# Altium PCB Swarm.PcbDoc (part 1 of 2)
Units mm, origin at the board's own origin, x right, y up, seen from the top; angles counter-clockwise.
Board outline 110 x 110 mm, 2 copper layers (Top Layer, Bottom Layer); 186 components, 147 nets, 586 pads, 71 vias.
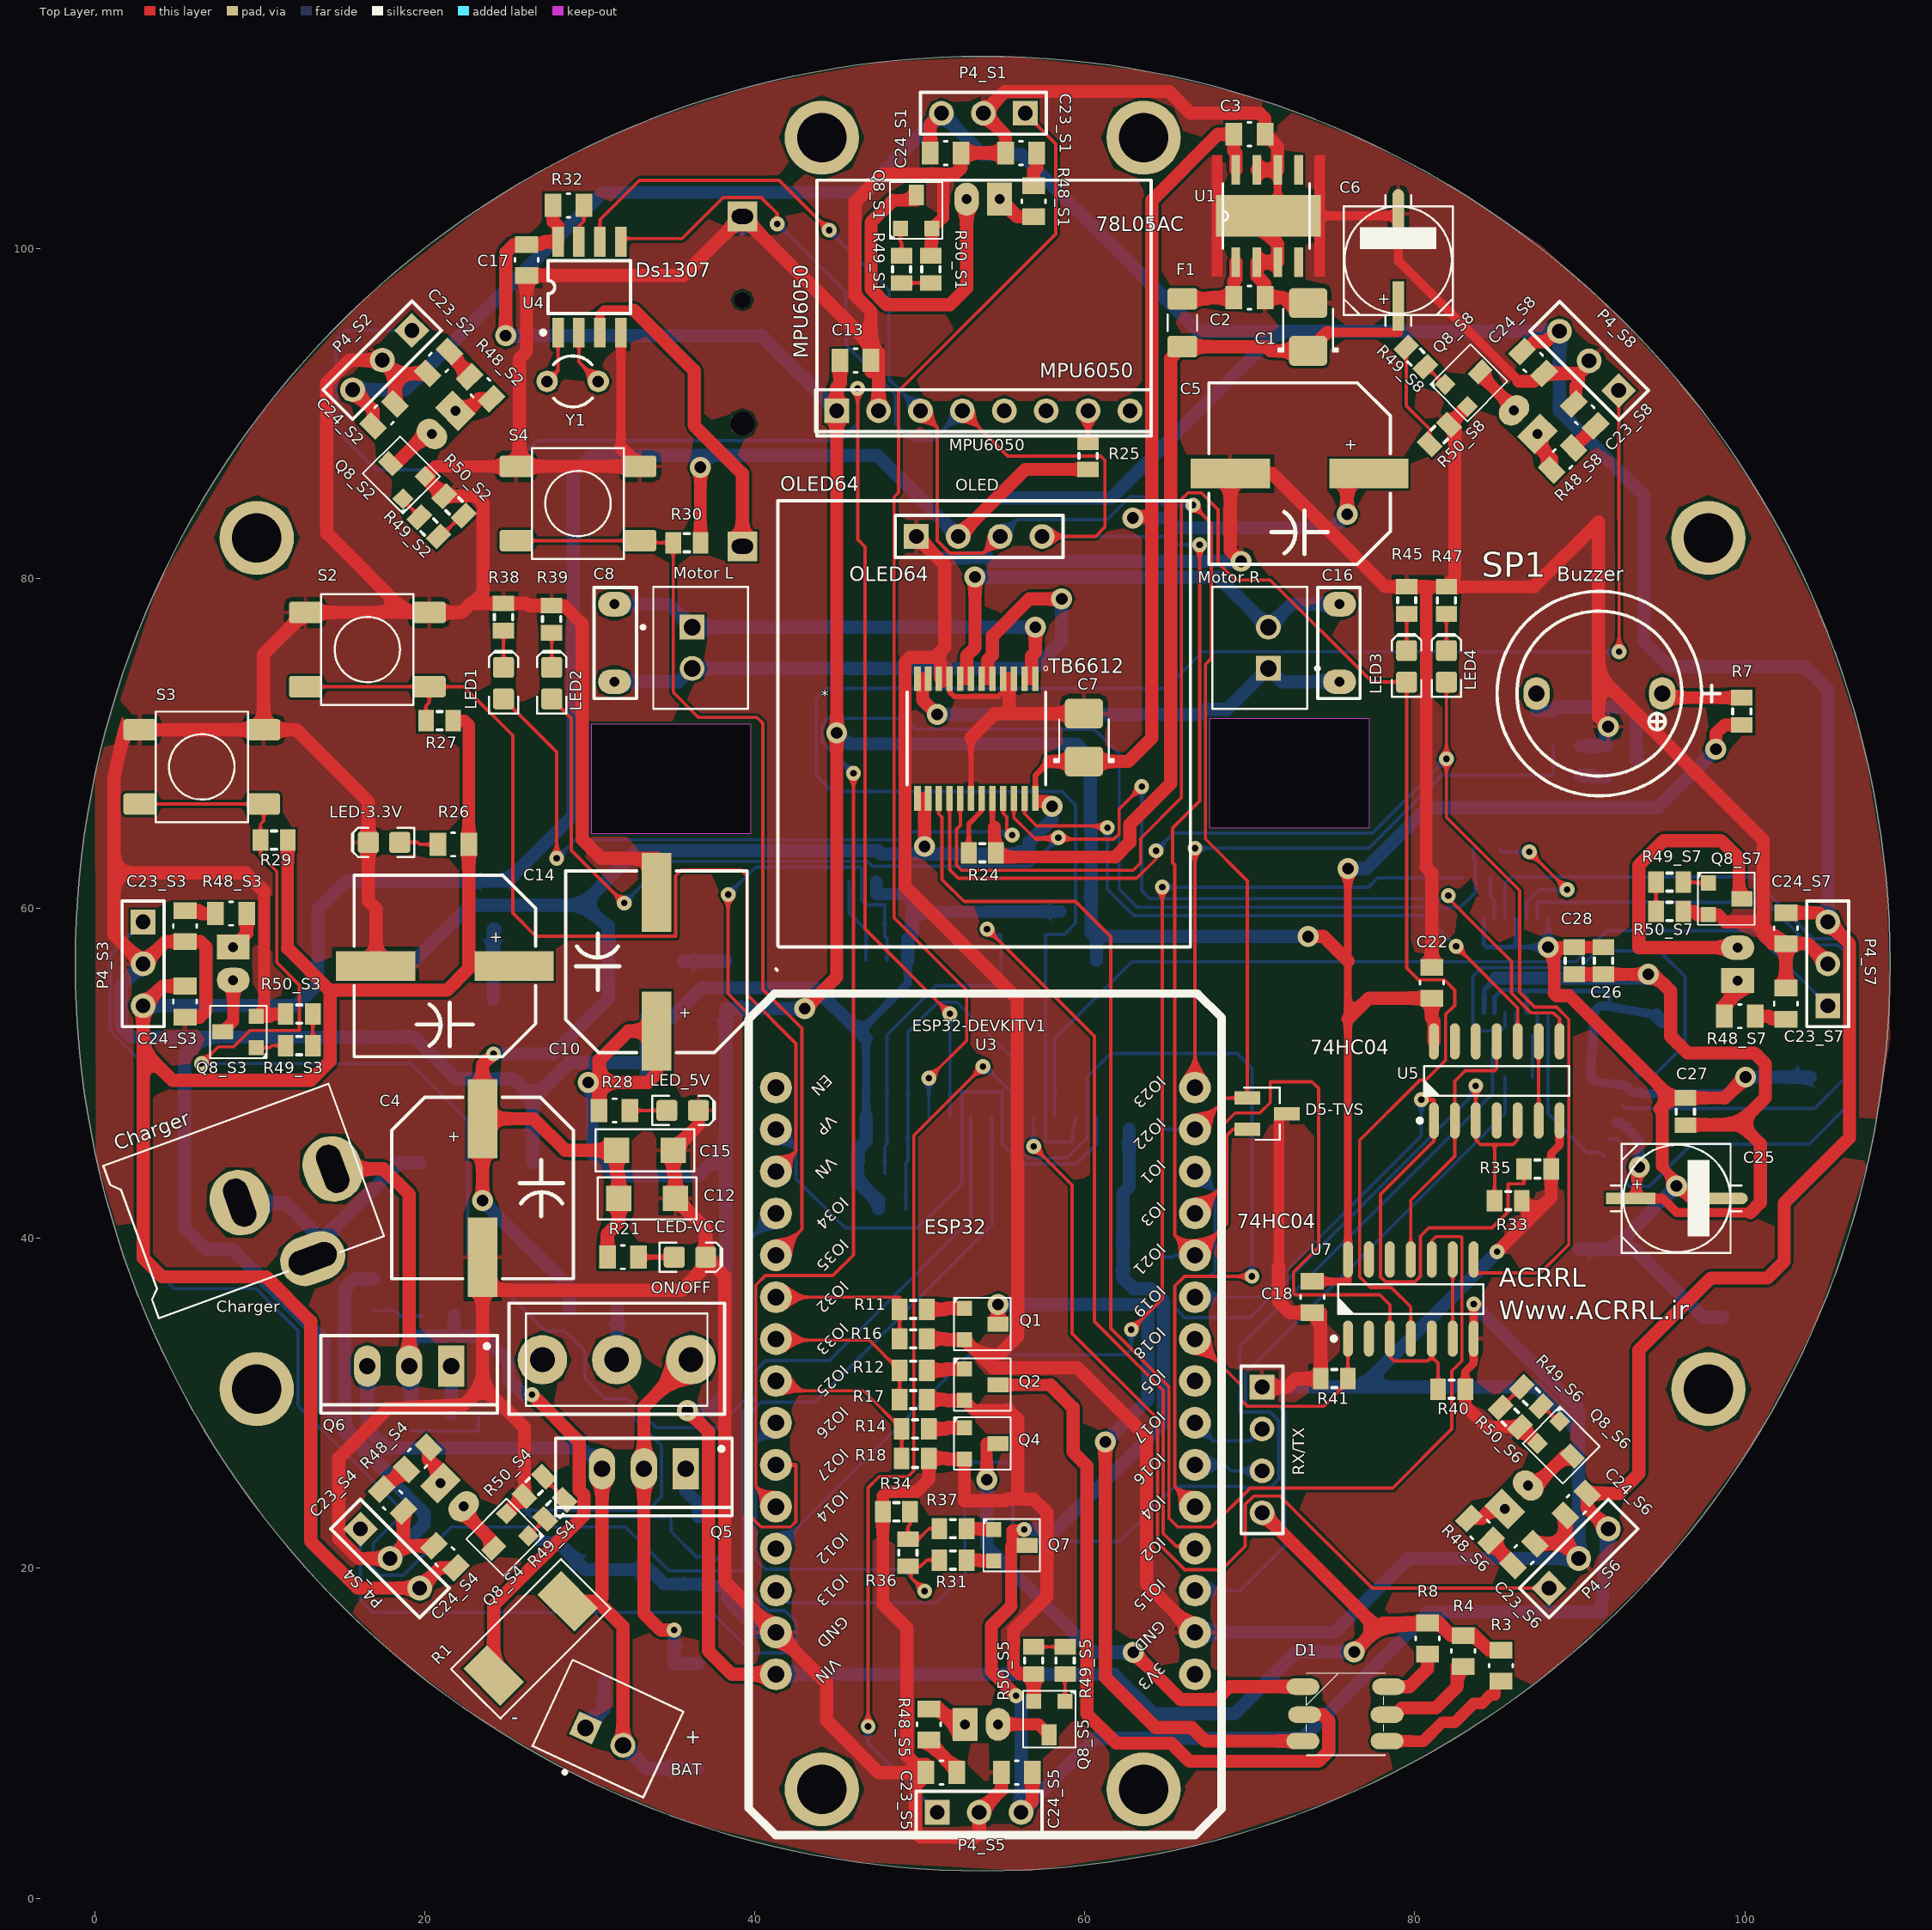
[diagram p0: Top Layer view]
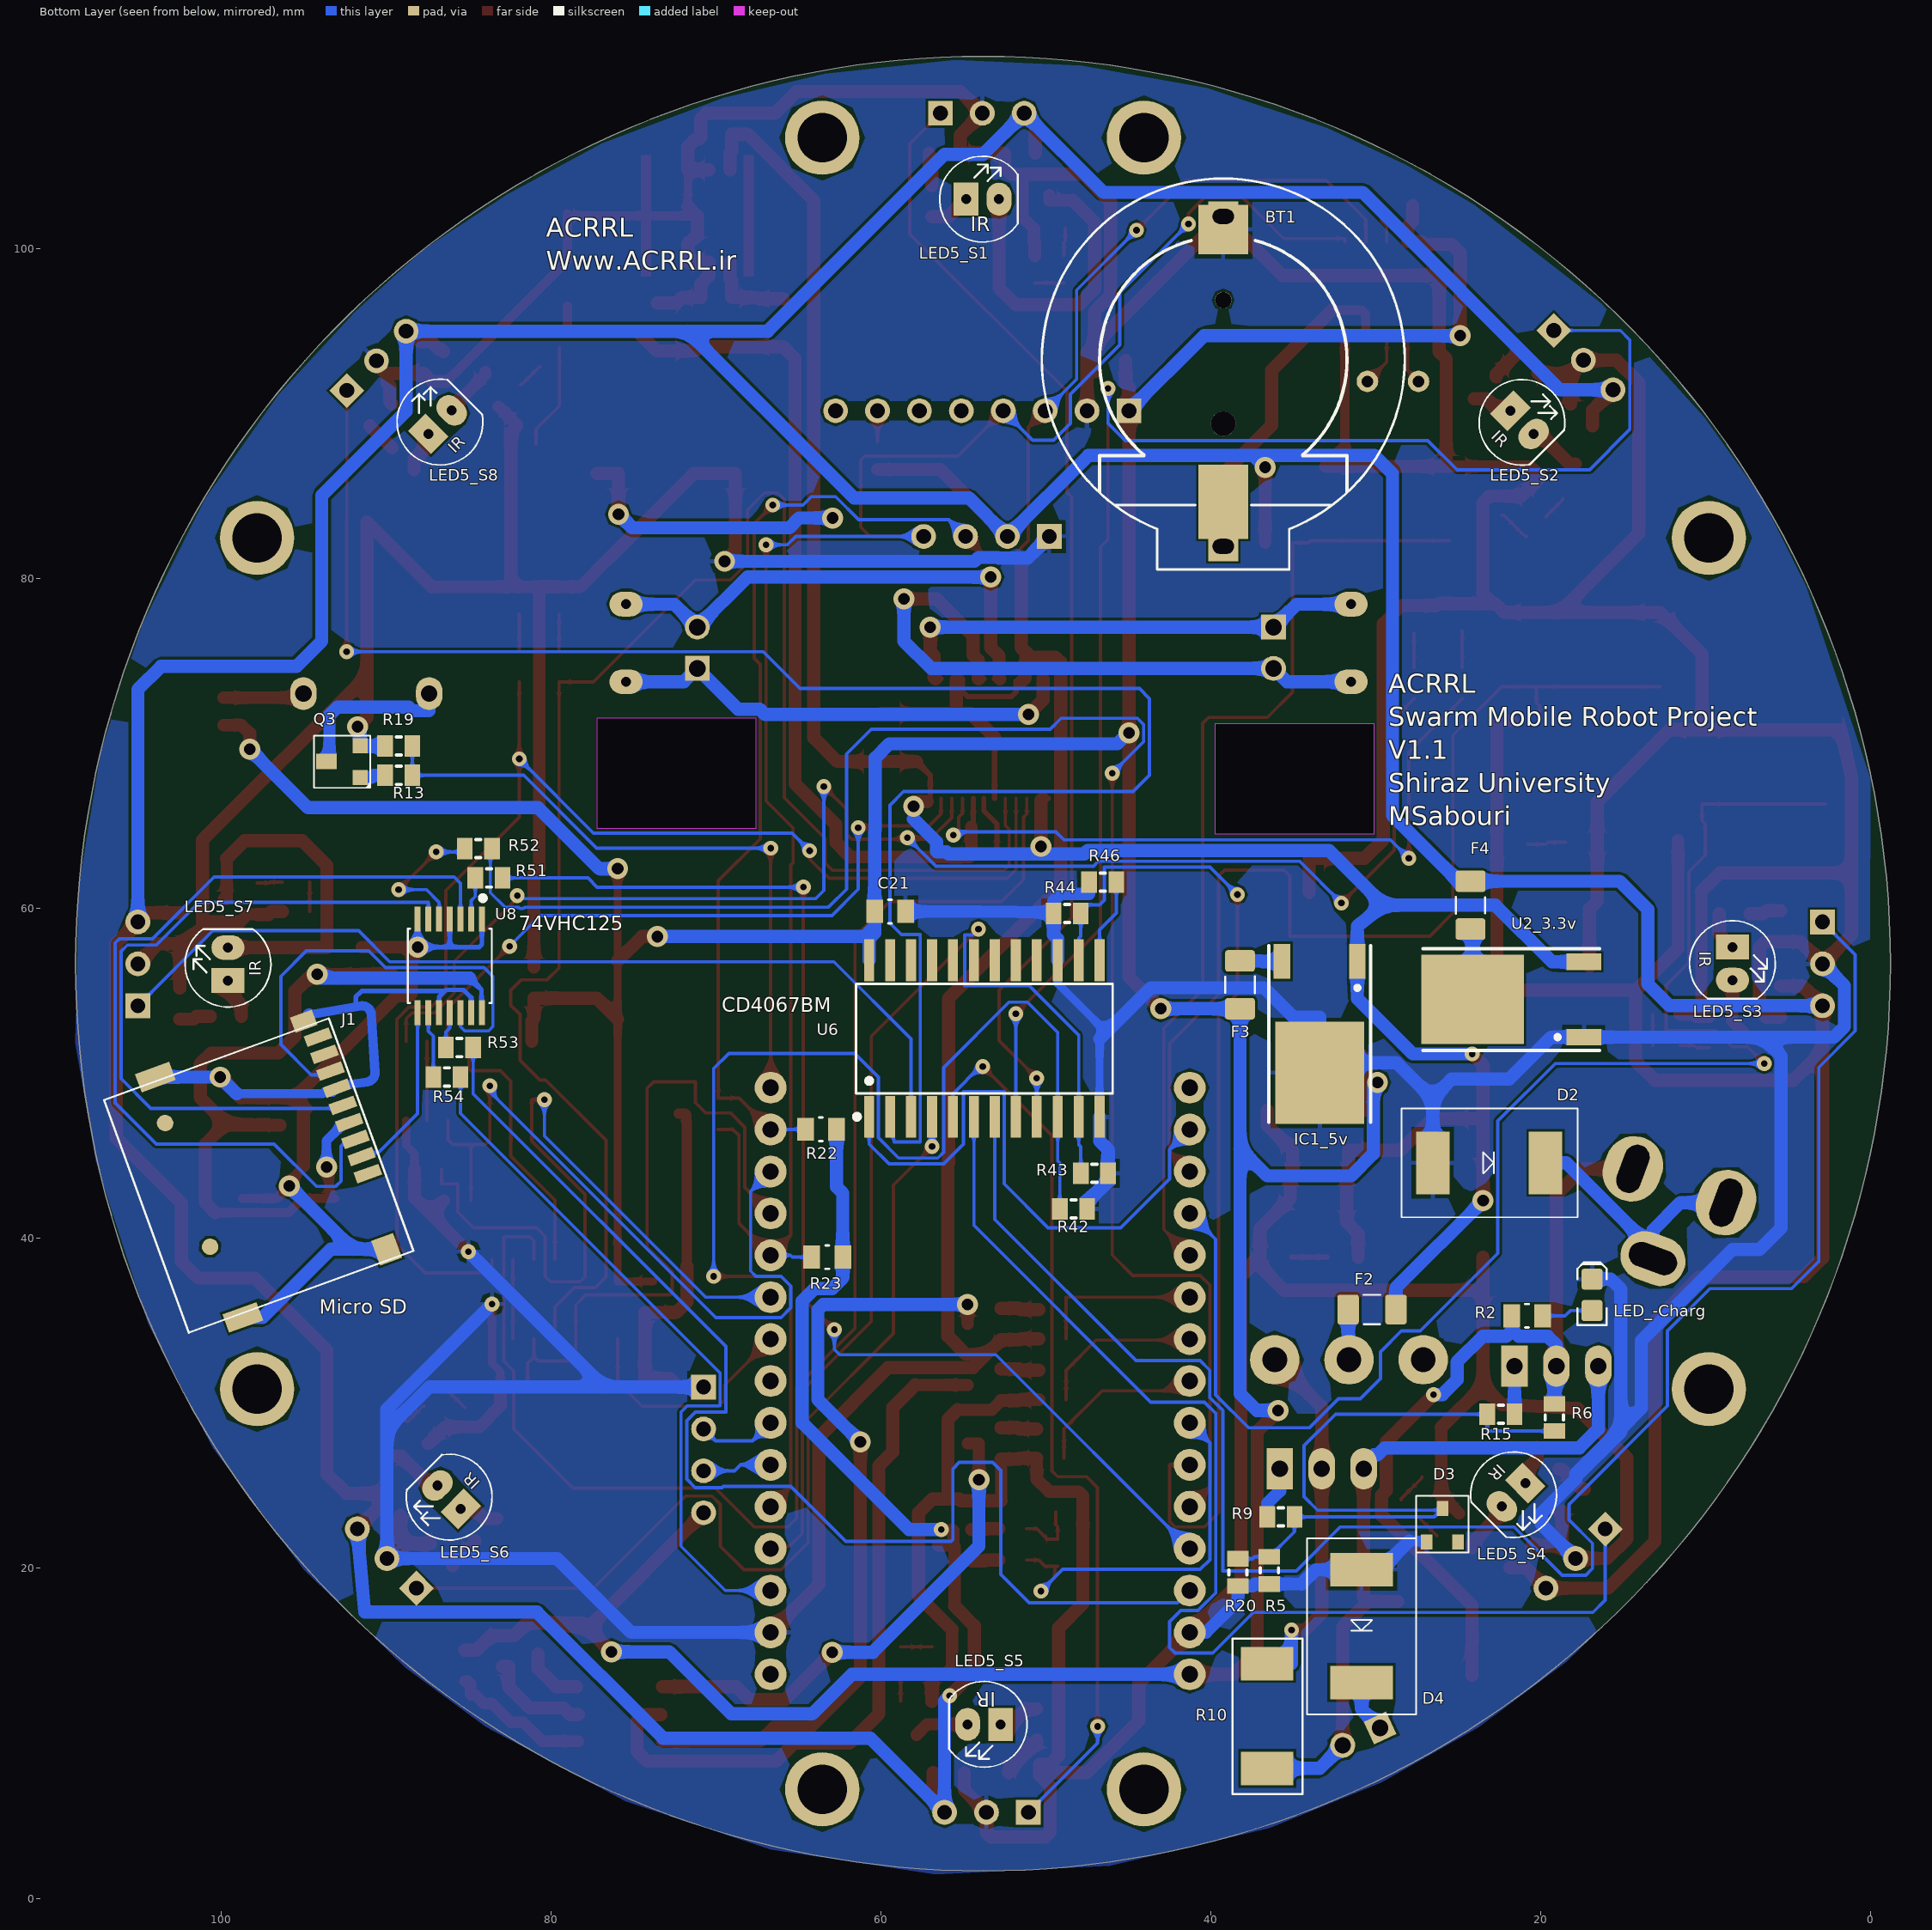
[diagram p1: Bottom Layer view, seen from below]
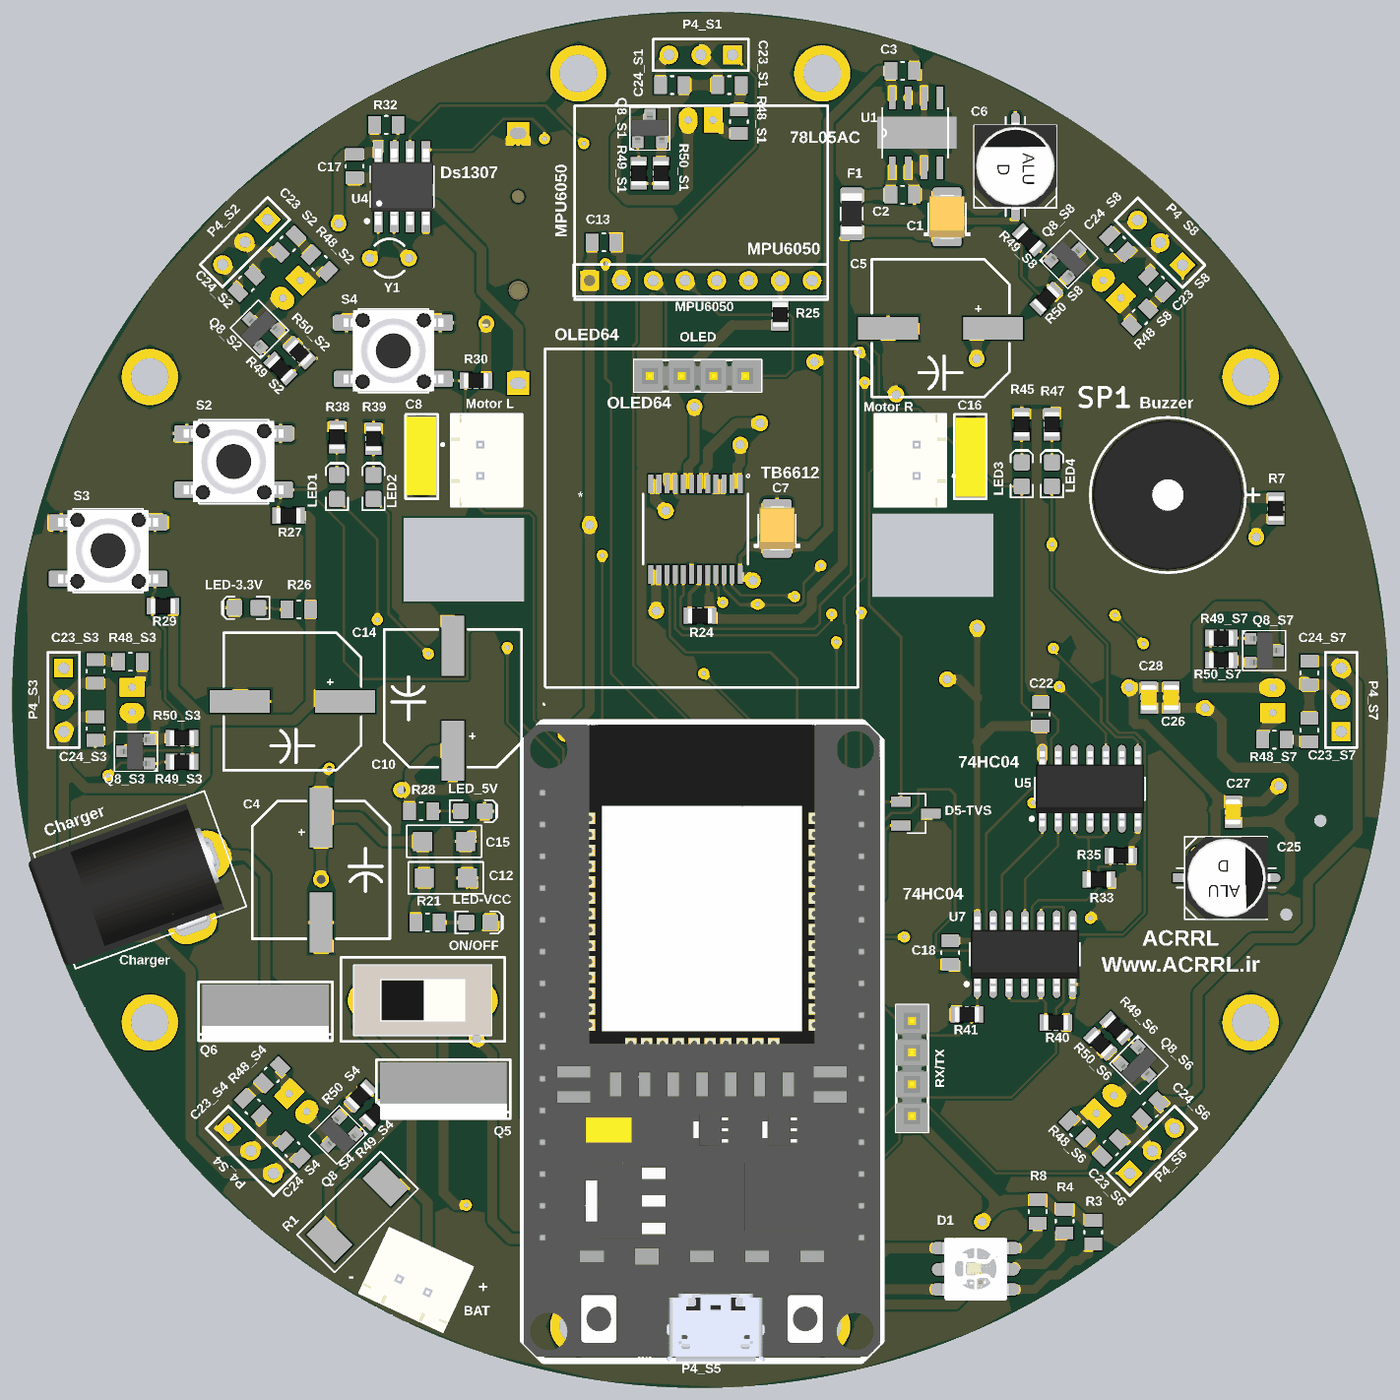
[diagram p3: 3D render of the assembled board from above, using the file's embedded part models]
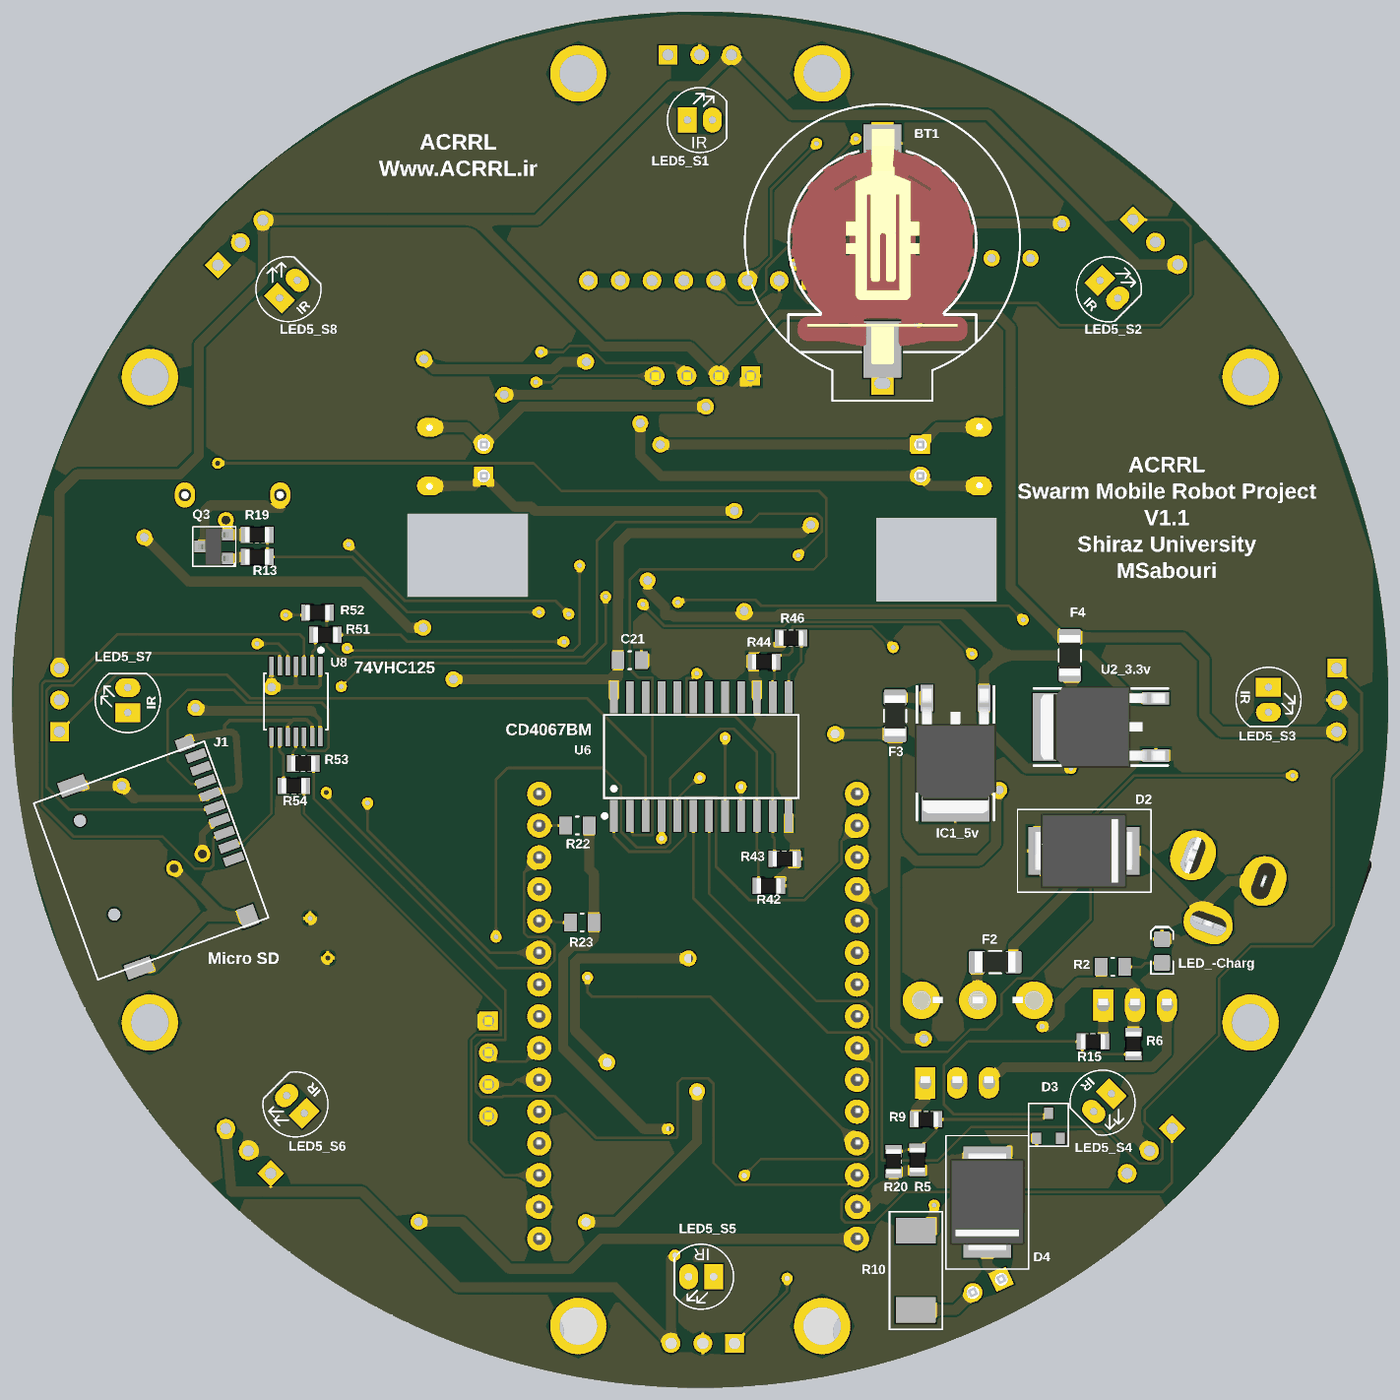
[diagram p4: 3D render of the assembled board from below, using the file's embedded part models]

## Layer stack, top to bottom
Top Solder: solder mask 0.0102, Solder Resist, Dk 3.5
Top Layer: signal copper 0.0356
Dielectric 1: dielectric 0.32, FR-4, Dk 4.8
Bottom Layer: signal copper 0.0356
Bottom Solder: solder mask 0.0102, Solder Resist, Dk 3.5

## Board outline
53.803,1.657 cw(c53.803,56.657) -1.197,56.657 cw(c53.803,56.657) 53.803,111.657 cw(c53.803,56.657) 108.803,56.657 cw(c53.803,56.657)
cut-out: 67.564,71.533 77.216,71.533 77.216,64.865 67.564,64.865
cut-out: 30.099,71.183 39.751,71.183 39.751,64.516 30.099,64.516

## Design rules (kind name [scope] priority, off if disabled: settings)
Clearance [All] p1: gap=0.15 ignorepadtopadclearanceinfootprint=TRUE
PolygonConnect [All] p1: connectstyle=Relief reliefconductorwidth=0.254 reliefentries=4 polygonreliefangle="90 Angle" airgapwidth=0.254
RoutingVias sig [InNetClass('Signal')] p1: holewidth=0.4 width=0.9 viastyle="Through Hole" minholewidth=0.4 minwidth=0.9 maxholewidth=0.4 maxwidth=0.9
RoutingVias pv2 [InNetClass('Power_2')] p2 off: holewidth=0.711 width=1.27 viastyle="Through Hole" minholewidth=0.711 minwidth=1.27 maxholewidth=0.711 maxwidth=1.27
RoutingVias pv1 [InNetClass('Power_1')] p3 off: holewidth=0.8 width=1.3 viastyle="Through Hole" minholewidth=0.8 minwidth=1.3 maxholewidth=0.8 maxwidth=1.3
RoutingVias mo [InNetClass('Power_1')] p4: holewidth=0.711 width=1.27 viastyle="Through Hole" minholewidth=0.711 minwidth=1.27 maxholewidth=0.711 maxwidth=1.27
RoutingVias "all via" [All] p5: holewidth=0.4 width=0.9 viastyle="Through Hole" minholewidth=0.4 minwidth=0.9 maxholewidth=0.4 maxwidth=0.9
SMDEntry [All] p1: side=FALSE corner=FALSE anyangle=FALSE
SMDNeckDown [All] p1: percent=80.000
SMDToCorner [All] p1: distance=118110
SolderMaskExpansion [All] p1: expansion=0.102 istentingtop=FALSE
UnRoutedNet [All] p1: checkbadconnections=TRUE
Width sig_1 [InNetClass('Signal')] p1: maxlimit=0.2 minlimit=0.18 preferedwidth=0.2
Width p2 [InNetClass('Power_2')] p2 off: maxlimit=0.4 minlimit=0.4 preferedwidth=0.4
Width p1 [InNetClass('Power_1')] p3 off: maxlimit=0.6 minlimit=0.3 preferedwidth=0.5
Width motor [InNetClass('Power_1')] p4: maxlimit=0.8 minlimit=0.3 preferedwidth=0.8
Width all [All] p5: maxlimit=0.3 minlimit=0.3 preferedwidth=0.3
29 further rules are at their usual default settings.

## Classes and differential pairs
net class Signal: A B Buzz C CLK Common_IR_Sensor CS0 DI DO LED1 LED2 LED3 MISO MOSI Motor_L_DIR Motor_L_EN Motor_L_Signal Motor_L_Signal_1 Motor_L_Signal_2 Motor_R_DIR Motor_R_EN Motor_R_Signal Motor_R_Signal_1 Motor_R_Signal_2 NetLED1_K NetLED2_K NetLED3_K NetLED4_K NetLED-3.3V_A NetLED_5V_A NetLED_-Charg_A NetMPU6050_7 NetQ8_S1_B NetQ8_S2_B NetQ8_S3_B NetQ8_S4_B NetQ8_S5_B NetQ8_S6_B NetQ8_S7_B NetQ8_S8_B NetR32_2 NetR34_1 NetR46_2 NetR51_2 NetR52_2 NetR53_1 NetR54_2 P Pont_A Pulse_S1 Pulse_S2 Pulse_S3 Pulse_S4 Pulse_S5 Pulse_S6 Pulse_S7 Pulse_S8 Pwm_L Pwm_R PWML PWMR RX SC_Card Scl SCLK SD_MISO SD_MOSI SD_SC SD_SCK Sda Sensor_0 Sensor_1 Sensor_2 Sensor_3 Sensor_4 Sensor_5 Sensor_6 Sensor_7 SW_1 SW_2 SW_3 TX X1 X2
net class Power_1: 3.3V 5V 5Vcc_S1 5Vcc_S2 5Vcc_S3 5Vcc_S4 5Vcc_S5 5Vcc_S6 5Vcc_S7 5Vcc_S8 +3.3V GND GND_S1 Motor_L_A Motor_L_B Motor_R_A Motor_R_B NetBAT_1 NetBT1_1 NetC2_2 NetCharger_2 NetD1_1 NetD1_2 NetD1_3 NetD1_4 NetD1_5 NetD1_6 NetF2_2 NetF3_2 NetF4_2 NetLED5_S1_1 NetLED5_S1_2 NetLED5_S2_1 NetLED5_S2_2 NetLED5_S3_1 NetLED5_S3_2 NetLED5_S4_1 NetLED5_S4_2 NetLED5_S5_1 NetLED5_S5_2 NetLED5_S6_1 NetLED5_S6_2 NetLED5_S7_1 NetLED5_S7_2 NetLED5_S8_1 NetLED5_S8_2 NetLED-3.3V_A NetQ1_B NetQ2_B NetQ3_B NetQ3_C NetQ4_B NetQ5_1 NetQ5_2 NetQ6_1 NetQ7_B NetR7_2 Pulse "V5 Motor" VCC Vin_BAT Vin_Charg
channel class Vs1838_IR: S1 S2 S3 S4 S5 S6 S7 S8
component class Designator: C25 C26 C27 C28 J1 R51 R52 R53 R54 U8
component class S2: C23_S2 C24_S2 LED5_S2 P4_S2 Q8_S2 R48_S2 R49_S2 R50_S2
component class S3: C23_S3 C24_S3 LED5_S3 P4_S3 Q8_S3 R48_S3 R49_S3 R50_S3
component class S7: C23_S7 C24_S7 LED5_S7 P4_S7 Q8_S7 R48_S7 R49_S7 R50_S7
component class S4: C23_S4 C24_S4 LED5_S4 P4_S4 Q8_S4 R48_S4 R49_S4 R50_S4
component class S8: C23_S8 C24_S8 LED5_S8 P4_S8 Q8_S8 R48_S8 R49_S8 R50_S8
component class S5: C23_S5 C24_S5 LED5_S5 P4_S5 Q8_S5 R48_S5 R49_S5 R50_S5
component class S6: C23_S6 C24_S6 LED5_S6 P4_S6 Q8_S6 R48_S6 R49_S6 R50_S6
component class S1: C23_S1 C24_S1 LED5_S1 P4_S1 Q8_S1 R48_S1 R49_S1 R50_S1
component class Sheet_1_Main_bord: * BAT BT1 C1 C2 C3 C4 C5 C6 C7 C8 C10 C12 C13 C14 C15 C16 C17 C18 C21 C22 Charger D1 D2 D3 D4 D5-TVS F1 F2 F3 F4 IC1_5v LED1 LED2 LED3 LED4 LED-3.3V LED-VCC LED_5V LED_-Charg "Motor L" "Motor R" MPU6050 OLED ON/OFF Q1 Q2 Q3 Q4 Q5 Q6 Q7 R1 R2 R3 R4 R5 R6 R7 R8 R9 R10 R11 R12 R13 R14 R15 R16 R17 R18 R19 R20 R21 R22 R23 R24 R25 R26 R27 R28 R29 R30 R31 R32 R33 R34 R35 R36 R37 R38 R39 R40 R41 R42 R43 R44 R45 R46 R47 RX/TX S2 S3 S4 SP1 U1 U2_3.3v U3 U4 U5 U6 U7 Y1

## Components (designator, comment, footprint, x,y, rotation, side; value= is the part's Value field where it differs from the comment)
* "tb6612" Ssop24_SOP65P760X160-24N 53.426,70.3 r270 top
BAT "CN HDR 2POS JST XH" JST_B2B-XH-A(LF)(SN) 31.093,10.275 r335 top
BT1 "BAT3V3" BTH1220 39.243,91.948 r90 bottom
C1 "47µ" CAPMP3528X210N 73.533,95.25 r90 top
C2 "0.33uF" 0805 69.977,97.028 r180 top value=470nF
C3 "0.1uF" 0805 69.977,106.934 r180 top value=470nF
C4 "1000uF-16V" "CAP SMD 1000UF 16V" 23.495,43.053 r90 top
C5 "1000uF-16V" "CAP SMD 1000UF 16V" 73.016,86.36 r0 top
C6 "47uF-25V" PANACAP-D-GENERIC 78.994,99.314 r90 top
C7 "47µ" CAPMP3528X210N 59.944,70.358 r90 top
C8 "100nF" "Cap - 100nF - 2" 31.496,73.742 r90 top
C10 "220uF-50V" "CAP SMD 1000UF 16V" 34.036,56.769 r270 top
C12 "100nF" 1206C-GENERIC 31.75,42.418 r0 top
C13 "0.1uF" 0805 46.101,93.218 r180 top value=470nF
C14 "220uF-50V" "CAP SMD 1000UF 16V" 21.209,56.515 r0 top
C15 "1nF" 1206C-GENERIC 31.623,45.339 r0 top
C16 "100nF" "Cap - 100nF - 2" 75.438,78.441 r270 top
C17 "100nF" 0805 26.162,99.314 r90 top value=470nF
C18 "22nF 50V" 0805 73.787,36.449 r270 top value=470nF
C21 "100nF" 0805 59.436,59.817 r0 bottom value=470nF
C22 "22nF 50V" 0805 81.026,55.499 r90 top value=470nF
C23_S1 "100nF" 0805 56.134,105.791 r0 top value=470nF (schematic designator C23)
C23_S2 "100nF" 0805 20.828,93.091 r45 top value=470nF (schematic designator C23)
C23_S3 "100nF" 0805 5.461,58.928 r90 top value=470nF (schematic designator C23)
C23_S4 "100nF" 0805 18.034,24.13 r135 top value=470nF (schematic designator C23)
C23_S5 "100nF" 0805 51.308,7.62 r0 top value=470nF (schematic designator C23)
C23_S6 "100nF" 0805 86.614,20.828 r225 top value=470nF (schematic designator C23)
C23_S7 "100nF" 0805 102.489,54.229 r270 top value=470nF (schematic designator C23)
C23_S8 "100nF" 0805 90.297,89.916 r315 top value=470nF (schematic designator C23)
C24_S1 "100nF" 0805 51.562,105.791 r180 top value=470nF (schematic designator C24)
C24_S2 "100nF" 0805 17.526,89.916 r225 top value=470nF (schematic designator C24)
C24_S3 "100nF" 0805 5.461,54.356 r90 top value=470nF (schematic designator C24)
C24_S4 "100nF" 0805 21.209,20.701 r315 top value=470nF (schematic designator C24)
C24_S5 "100nF" 0805 55.88,7.62 r0 top value=470nF (schematic designator C24)
C24_S6 "100nF" 0805 89.789,23.876 r45 top value=470nF (schematic designator C24)
C24_S7 "100nF" 0805 102.489,58.801 r90 top value=470nF (schematic designator C24)
C24_S8 "100nF" 0805 87.172,93.092 r135 top value=470nF (schematic designator C24)
C25 "10uF-50V" PANACAP-D-GENERIC 95.885,42.418 r0 top
C26 "10UF" SMD_CAP_0805 91.44,57.657 r270 top
C27 "100nF" SMD_CAP_0805 96.393,48.513 r270 top
C28 "100nF" SMD_CAP_0805 89.662,57.657 r270 top
Charger "CONN_PWR_JACK_2.1x5.5mm" CONN_PWR_JACK_2.1x5.5mm 1.539,39.53 r110 top value="2.1mm ID, 5.5mm OD"
D1 "probably led colors not mach to real please check the device and change the component" "5050 LED package" 75.819,11.176 r180 top
D2 "SMCJ120CA" DIODE-SMC 27.043,44.577 r0 bottom
D3 "DIODE-ZENER-GENERIC" SOT23-DIODE 26.919,21.59 r90 bottom
D4 "SMCJ120CA" DIODE-SMC 30.861,20.415 r90 bottom
D5-TVS "SM712" PSM12___SOT23 70.993,47.625 r0 top (schematic designator D5)
F1 "Slow-blow" RESC3216X70N 65.913,95.504 r270 top value=100mA
F2 "Slow-blow" RESC3216X70N 30.226,35.687 r0 bottom value=3A
F3 "Slow-blow" RESC3216X70N 38.227,55.372 r90 bottom value=750mA
F4 "Slow-blow" RESC3216X70N 24.257,60.198 r270 bottom value=750mA
IC1_5v "L7805CD2T-5V-1.5A" TO-252 33.401,53.413 r0 bottom
J1 "T_FLASH_TFP09 copy" TFP09-2-12B-MOD 97.103,43.05 r250 bottom
LED1 "Red" LED-0805-K 24.765,73.66 r90 top
LED2 "Green" LED-0805-K 27.686,73.66 r90 top
LED3 "Red" LED-0805-K 79.502,74.676 r90 top
LED4 "Green" LED-0805-K 81.915,74.676 r90 top
LED5_S1 "IR Sensor" LED5mm_IR 54.832,102.997 r180 bottom (schematic designator LED5)
LED5_S2 "IR Sensor" LED5mm_IR 21.844,90.17 r225 bottom (schematic designator LED5)
LED5_S3 "IR Sensor" LED5mm_IR 8.382,57.658 r270 bottom (schematic designator LED5)
LED5_S4 "IR Sensor" LED5mm_IR 20.938,25.163 r315 bottom (schematic designator LED5)
LED5_S5 "IR Sensor" LED5mm_IR 52.737,10.541 r0 bottom (schematic designator LED5)
LED5_S6 "IR Sensor" LED5mm_IR 85.454,23.605 r45 bottom (schematic designator LED5)
LED5_S7 "IR Sensor" LED5mm_IR 99.568,55.626 r90 bottom (schematic designator LED5)
LED5_S8 "IR Sensor" LED5mm_IR 87.426,88.774 r135 bottom (schematic designator LED5)
LED-3.3V "Green" LED-0805-K 17.526,64.008 r180 top
LED-VCC "Green" LED-0805-K 36.068,38.862 r0 top
LED_5V "Green" LED-0805-K 35.623,47.752 r0 top
LED_-Charg "Red" LED-0805-K 16.891,36.576 r90 bottom
"Motor L" "CN HDR 2POS JST XH" JST_B2B-XH-A(LF)(SN) 36.72,75.799 r270 top
"Motor R" "CN HDR 2POS JST XH" JST_B2B-XH-A(LF)(SN) 70.595,75.799 r90 top
MPU6050 "MPU6050" HDR1X8 44.958,90.17 r0 top